# Altium PCB SVPX_FMC_6U_SOM.PcbDoc (part 7 of 9)
Units mm, origin at the board's own origin, x right, y up, seen from the top; angles counter-clockwise.
Board outline 160.38 x 233.53 mm, 10 copper layers (Top Layer, L1, P1, L2, P2, P3, L3, P4, L4, Bottom Layer), stack 1.749 mm thick; 649 components, 1262 nets, 4113 pads, 1924 vias.
Unrouted connection lines stored in the file: 1553.
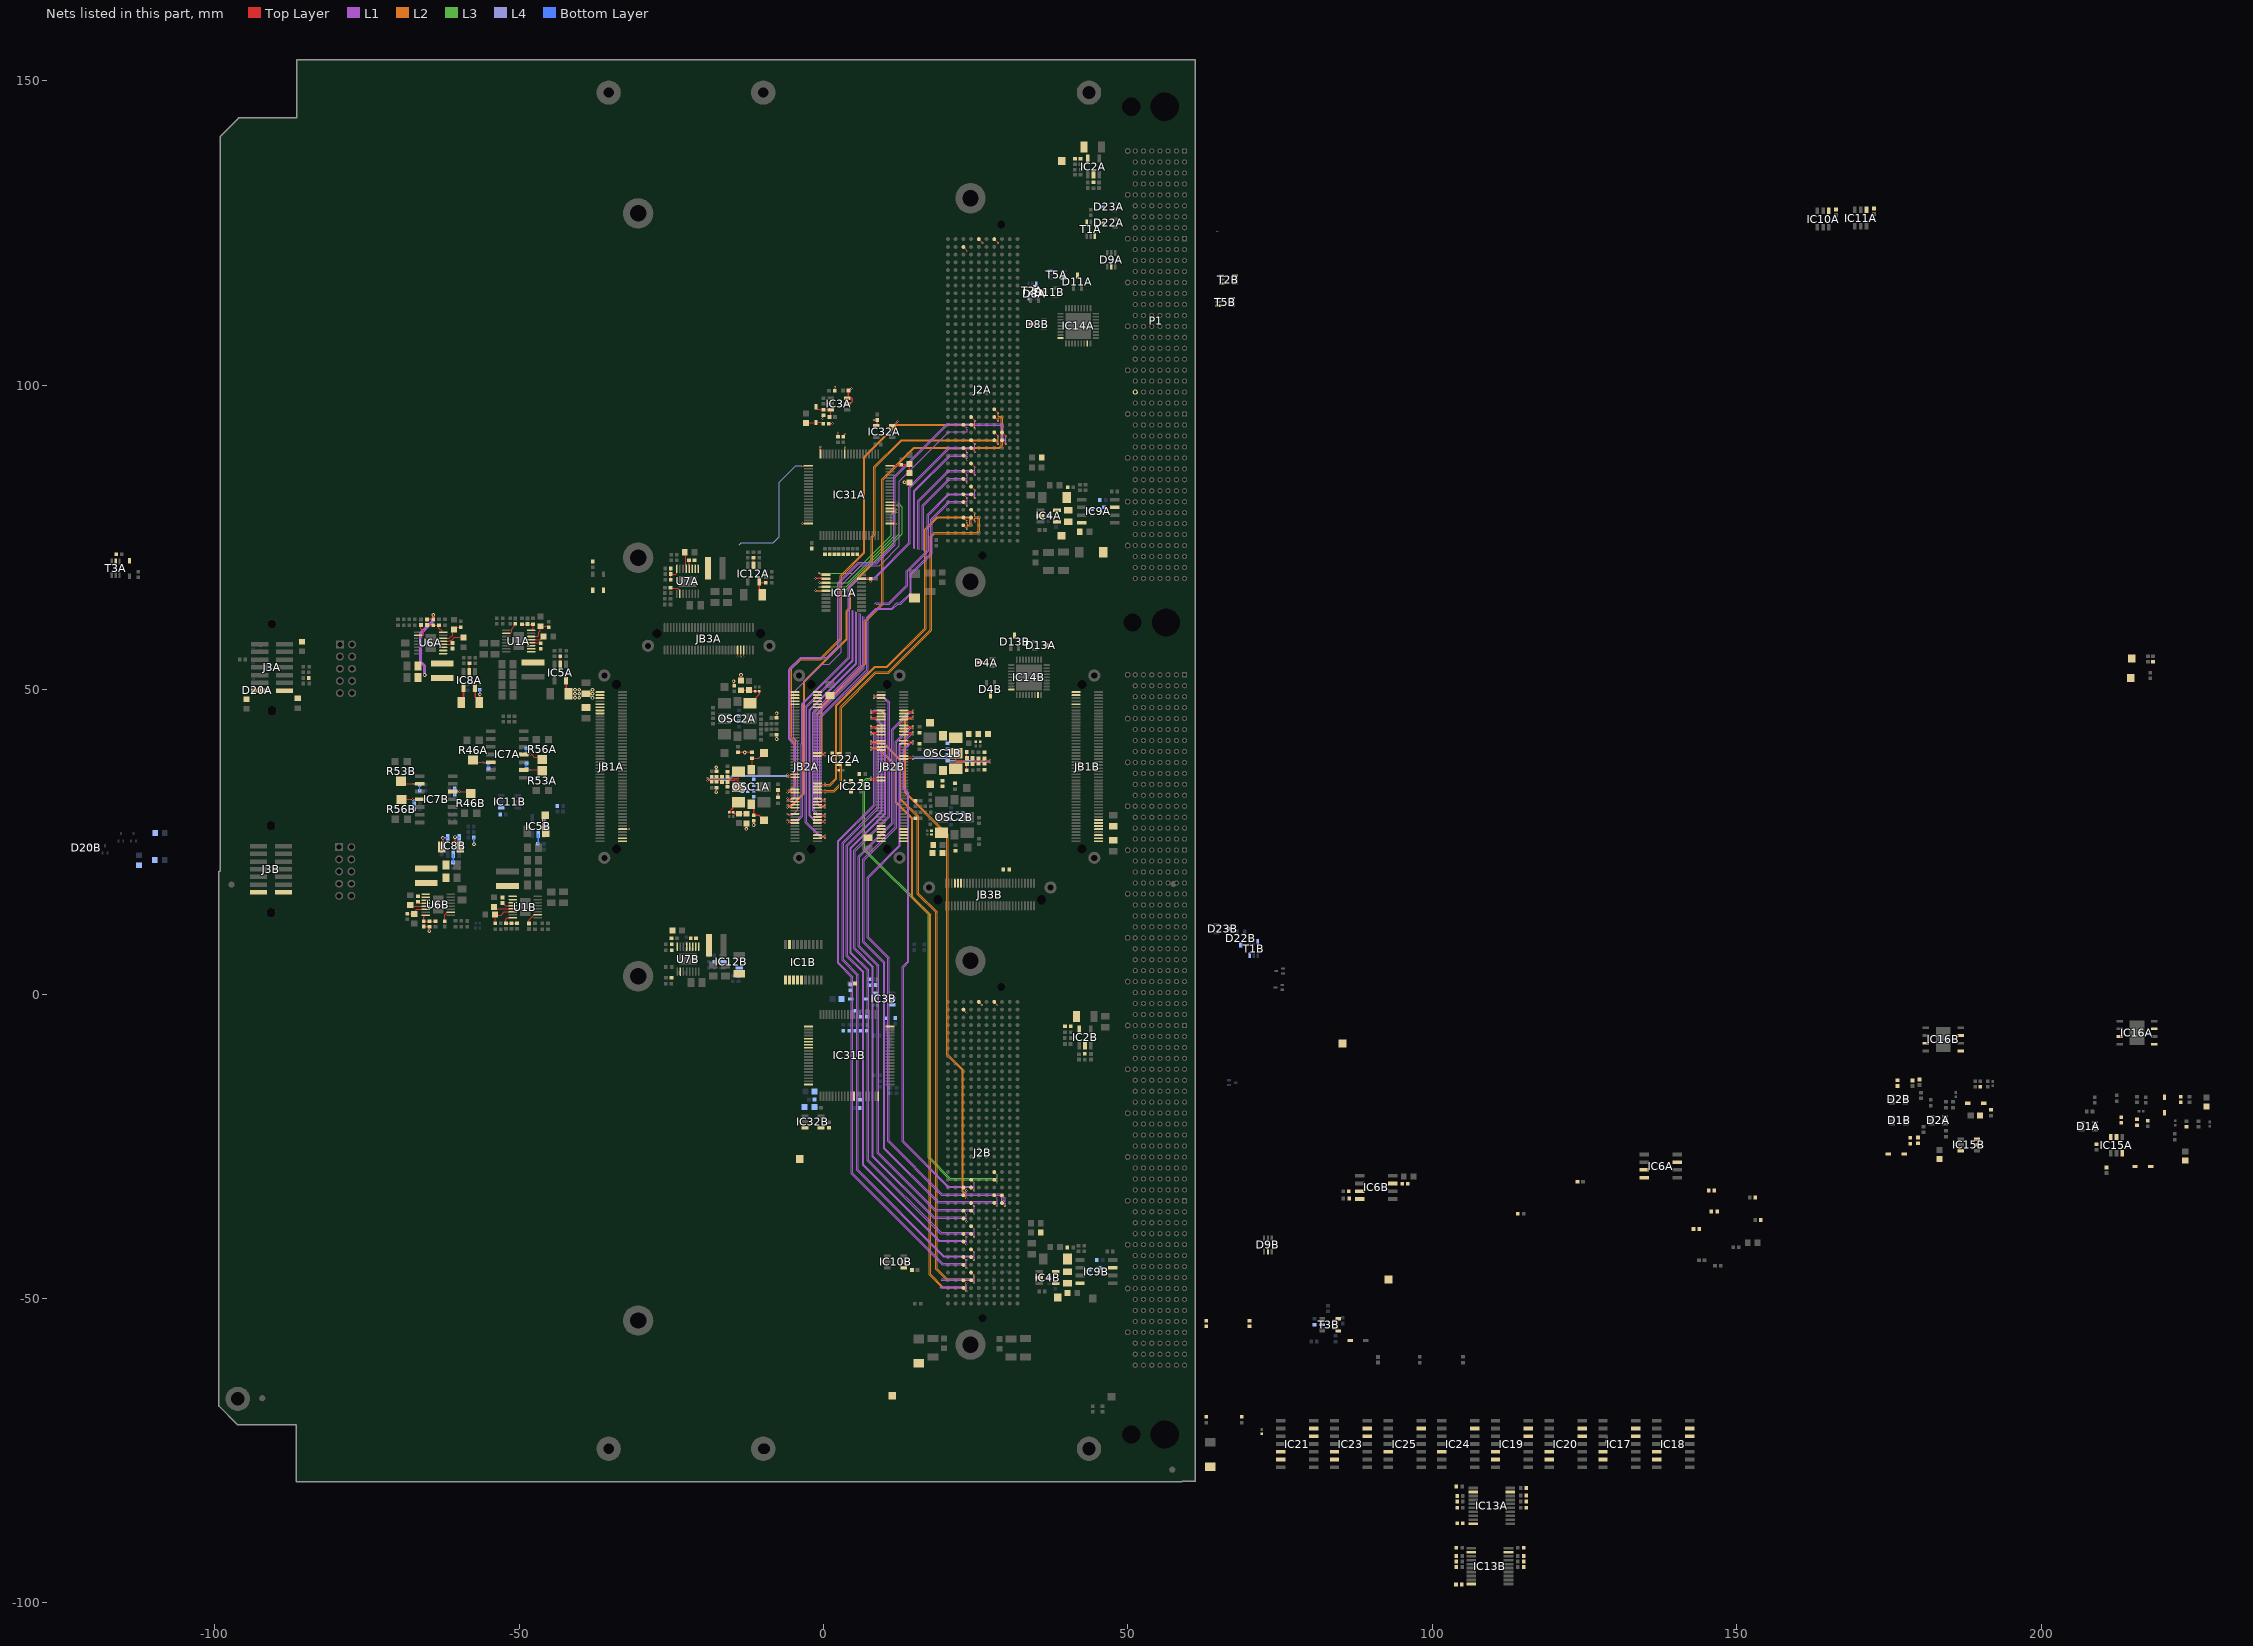
[diagram p15: the nets of this part, all layers, seen from the top]

## Via types
v1: diameter 0.32, hole 0.16, Top Layer to Bottom Layer, 654 vias
v2: diameter 0.6, hole 0.3, Top Layer to Bottom Layer, 398 vias
v3: diameter 1, hole 0.5, Top Layer to Bottom Layer, 314 vias
v4: diameter 0.3, hole 0.2, Top Layer to Bottom Layer, tented both sides, 270 vias
v5: diameter 0.6, hole 0.5, Top Layer to Bottom Layer, 248 vias
v6: diameter 0.5, hole 0.2, Top Layer to Bottom Layer, 18 vias
v7: diameter 0.3, hole 0.2, Top Layer to Bottom Layer, 18 vias
v8: diameter 0.4, hole 0.3, Top Layer to Bottom Layer, tented both sides, 4 vias

## Nets (pads, with @x,y where several pads share a name; then routed paths per layer and width w, separated by ;. In a path a pad name is that pad's centre, name@x,y a point inside that pad or via, vN(x,y) a via of type N, cw(c..) or ccw(c..) an arc to the next point about the centre after c; other vN are vias at no path point) (continued)
LA21A_P: J2A.h25 JB2A.82 | length 83.1
  Top Layer w0.118: v1(-5.9,29.56) -5.845,29.56 -5.758,29.472 -5.46,29.472 -5.333,29.6 JB2A.82@-4.7,29.6 ; J2A.h25@22.97,93.511 v1(23.605,92.876)
  L1 w0.069: v1(-5.9,29.56) -5.834,29.56 -5.734,29.46 -5.059,29.46 -4.237,30.281 -4.237,38.437 -4.227,38.447 -4.227,41.464 ; 2.952,56.363 2.952,66.93 2.948,66.934 2.948,67.12 2.952,67.124 2.952,67.13 ; 9.622,70.769 12.466,73.613 12.466,84.221 20.596,92.351 23.565,92.351 23.605,92.392 v1(23.605,92.876)
  L1 w0.078: -4.227,41.464 -4.851,42.087 -4.851,49.599 -0.298,54.152 0.939,54.152 2.952,56.165 2.952,56.363 ; 2.952,67.13 6.154,70.332 9.185,70.332 9.622,70.769
LA21B_N: J2B.h26 JB2B.84 | length 86.8
  Top Layer w0.118: JB2B.84@13.175,45.6 13.808,45.6 13.935,45.472 14.102,45.472 14.539,45.472 14.626,45.56 v1(14.681,45.56) ; J2B.h26@22.97,-33.038 v4(23.47,-33.538)
  L2 w0.069: v1(14.681,45.56) 14.616,45.56 14.515,45.46 14.254,45.46 14.232,45.482 13.752,45.482 13.319,45.049 13.319,33.042 20.279,26.083 20.279,-10.026 22.767,-12.514 22.767,-30.019 22.768,-30.02 22.768,-32.498 23.282,-33.012 23.43,-33.012 23.47,-33.053 v4(23.47,-33.538)
LA21B_P: J2B.h25 JB2B.82 | length 86
  Top Layer w0.118: JB2B.82@13.175,45.1 13.808,45.1 13.935,45.228 14.203,45.228 14.539,45.228 14.626,45.14 v1(14.681,45.14) ; J2B.h25@22.97,-31.768 v4(23.47,-32.268)
  L2 w0.069: v1(14.681,45.14) 14.616,45.14 14.515,45.24 14.164,45.24 14.141,45.263 13.843,45.263 13.538,44.958 13.538,33.133 20.498,26.173 20.498,-9.935 22.986,-12.423 22.986,-29.928 22.987,-29.93 22.987,-32.408 23.373,-32.793 23.43,-32.793 23.47,-32.753 v4(23.47,-32.268)
LA22A_N: J2A.g25 JB2A.68 | length 85.9
  Top Layer w0.118: v1(-5.9,33.14) -5.845,33.14 -5.758,33.228 -5.46,33.228 -5.333,33.1 JB2A.68@-4.7,33.1 ; J2A.g25@24.24,93.511 v1(24.875,92.876)
  L2 w0.069: v1(-5.9,33.14) -5.834,33.14 -5.734,33.24 -5.545,33.24 -4.559,34.227 -4.559,41.566 -5.207,42.215 -5.207,53.492 -3.75,54.95 -0.422,54.95 2.959,58.331 2.959,68.618 6.792,72.451 6.792,88.151 12.042,93.402 24.835,93.402 24.875,93.361 v1(24.875,92.876)
LA22A_P: J2A.g24 JB2A.66 | length 85.9
  Top Layer w0.118: v1(-5.9,33.56) -5.845,33.56 -5.758,33.472 -5.46,33.472 -5.333,33.6 JB2A.66@-4.7,33.6 ; J2A.g24@24.24,94.781 v1(24.875,94.146)
  L2 w0.069: v1(-5.9,33.56) -5.834,33.56 -5.734,33.46 -5.636,33.46 -4.778,34.318 -4.778,41.476 -5.426,42.124 -5.426,53.583 -3.841,55.169 -0.513,55.169 2.74,58.422 2.74,68.709 6.573,72.542 6.573,88.242 11.952,93.621 24.835,93.621 24.875,93.661 v1(24.875,94.146)
LA22B_N: J2B.g25 JB2B.68 | length 85
  Top Layer w0.118: JB2B.68@13.175,41.6 13.808,41.6 13.935,41.472 14.102,41.472 14.539,41.472 14.626,41.56 v1(14.681,41.56) ; J2B.g25@24.24,-31.768 v4(24.74,-32.268)
  L1 w0.069: v1(14.681,41.56) 14.615,41.56 14.515,41.46 14.326,41.46 13.081,40.215 13.081,33.726 13.818,32.989 13.818,5.385 12.938,4.505 12.938,-24.272 20.409,-31.743 24.7,-31.743 24.74,-31.783 v4(24.74,-32.268)
LA22B_P: J2B.g24 JB2B.66 | length 84.3
  Top Layer w0.118: JB2B.66@13.175,41.1 13.808,41.1 13.935,41.228 14.203,41.228 14.539,41.228 14.626,41.14 v1(14.681,41.14) ; J2B.g24@24.24,-30.498 v4(24.74,-30.998)
  L1 w0.069: v1(14.681,41.14) 14.615,41.14 14.515,41.24 14.417,41.24 13.3,40.124 13.3,33.817 14.037,33.08 14.037,5.294 13.157,4.414 13.157,-24.181 20.499,-31.523 24.7,-31.523 24.74,-31.482 v4(24.74,-30.998)
LA23A_N: J2A.d24 JB2A.43 | length 79.6
  Top Layer w0.118: JB2A.43@-1,39.1 -0.367,39.1 -0.24,39.228 0.086,39.228 0.174,39.14 v1(0.228,39.14) ; J2A.d24@28.05,94.781 v1(28.685,94.146)
  L2 w0.069: v1(0.228,39.14) 0.163,39.14 0.063,39.24 -0.126,39.24 -0.397,39.511 -0.397,47.279 6.68,54.356 6.68,61.214 9.566,64.099 9.566,84.577 14.83,89.842 28.89,89.842 29.207,90.159 29.207,94.541 29.077,94.672 28.726,94.672 28.685,94.631 v1(28.685,94.146)
LA23A_P: J2A.d23 JB2A.41 | length 79.6
  Top Layer w0.118: JB2A.41@-1,39.6 -0.367,39.6 -0.24,39.472 0.086,39.472 0.174,39.56 v1(0.228,39.56) ; J2A.d23@28.05,96.051 v1(28.685,95.416)
  L2 w0.069: v1(0.228,39.56) 0.163,39.56 0.063,39.46 -0.035,39.46 -0.178,39.602 -0.178,47.188 6.899,54.265 6.899,61.123 9.785,64.009 9.785,84.486 14.921,89.622 28.981,89.622 29.427,90.068 29.427,94.632 29.168,94.891 28.726,94.891 28.685,94.931 v1(28.685,95.416)
LA23B_N: J2B.d24 JB2B.43 | length 83.6
  Top Layer w0.118: v1(7.772,35.56) 7.827,35.56 7.915,35.472 8.548,35.472 8.715,35.472 8.842,35.6 JB2B.43@9.475,35.6 ; J2B.d24@28.05,-30.498 v4(28.55,-30.998)
  L3 w0.069: v1(7.772,35.56) 7.707,35.56 7.606,35.46 7.057,35.46 6.563,34.965 6.563,23.714 17.205,13.072 17.205,-26.913 20.764,-30.472 28.51,-30.472 28.55,-30.513 v4(28.55,-30.998)
LA23B_P: J2B.d23 JB2B.41 | length 82.8
  Top Layer w0.118: v1(7.772,35.14) 7.827,35.14 7.915,35.228 8.447,35.228 8.715,35.228 8.842,35.1 JB2B.41@9.475,35.1 ; J2B.d23@28.05,-29.228 v4(28.55,-29.728)
  L3 w0.069: v1(7.772,35.14) 7.707,35.14 7.606,35.24 7.148,35.24 6.782,34.874 6.782,23.805 17.424,13.162 17.424,-26.822 20.855,-30.253 28.51,-30.253 28.55,-30.213 v4(28.55,-29.728)
LA24A_N: J2A.h29 JB2A.95 | length 65
  Top Layer w0.118: JB2A.95@-1,26.1 -0.367,26.1 -0.24,25.972 0.086,25.972 0.174,26.06 v1(0.228,26.06) ; J2A.h29@22.97,88.431 v1(23.605,87.796)
  L1 w0.069: v1(0.228,26.06) 0.163,26.06 0.062,25.96 -0.453,25.96 -2.743,28.25 -2.743,47.117 4.902,54.762 4.902,62.983 ; 15.019,73.1 15.019,82.552 20.788,88.321 23.565,88.321 23.605,88.281 v1(23.605,87.796)
LA24A_P: J2A.h28 JB2A.97 | length 65.7
  Top Layer w0.118: JB2A.97@-1,25.6 -0.367,25.6 -0.24,25.728 0.086,25.728 0.174,25.64 v1(0.228,25.64) ; J2A.h28@22.97,89.701 v1(23.605,89.066)
  L1 w0.069: v1(0.228,25.64) 0.163,25.64 0.062,25.74 -0.543,25.74 -2.963,28.159 -2.963,47.208 4.683,54.853 4.683,63.074 ; 14.8,73.191 14.8,82.643 20.697,88.541 23.565,88.541 23.605,88.582 v1(23.605,89.066)
LA24B_N: J2B.h29 JB2B.95 | length 103.1
  Top Layer w0.118: v1(8.281,48.64) 8.335,48.64 8.423,48.728 8.715,48.728 8.842,48.6 JB2B.95@9.475,48.6 ; J2B.h29@22.97,-36.848 v4(23.47,-37.348)
  L1 w0.069: 9.995,48.476 10.623,47.848 10.623,29.221 4.988,23.586 4.988,7.433 7.985,4.436 7.985,-26.736 18.072,-36.823 23.43,-36.823 23.47,-36.863 v4(23.47,-37.348)
  L1 w0.078: v1(8.281,48.64) 8.346,48.64 8.442,48.736 9.735,48.736 9.995,48.476
LA24B_P: J2B.h28 JB2B.97 | length 103.1
  Top Layer w0.118: v1(8.281,49.06) 8.335,49.06 8.423,48.972 8.715,48.972 8.842,49.1 JB2B.97@9.475,49.1 ; J2B.h28@22.97,-35.578 v4(23.47,-36.078)
  L1 w0.069: 10.083,48.698 10.843,47.939 10.843,29.131 5.207,23.495 5.207,7.524 8.204,4.527 8.204,-26.645 18.163,-36.603 23.43,-36.603 23.47,-36.562 v4(23.47,-36.078)
  L1 w0.078: v1(8.281,49.06) 8.346,49.06 8.442,48.964 9.829,48.964 10.089,48.704
LA25A_N: J2A.g28 JB2A.88 | length 81.8
  Top Layer w0.118: v1(-5.9,28.14) -5.845,28.14 -5.758,28.228 -5.46,28.228 -5.333,28.1 JB2A.88@-4.7,28.1 ; J2A.g28@24.24,89.701 v1(24.875,89.066)
  L1 w0.069: v1(-5.9,28.14) -5.834,28.14 -5.734,28.24 -4.37,28.24 -3.429,29.181 -3.429,40.995 -3.391,41.033 -3.391,47.561 4.313,55.266 4.313,66.746 ; 8.906,68.684 14.25,74.028 14.25,83.18 20.661,89.591 24.835,89.591 24.875,89.551 v1(24.875,89.066)
  L1 w0.078: 4.313,66.746 5.715,68.148 8.382,68.148 8.912,68.678
LA25A_P: J2A.g27 JB2A.86 | length 81.8
  Top Layer w0.118: v1(-5.9,28.56) -5.845,28.56 -5.758,28.472 -5.46,28.472 -5.333,28.6 JB2A.86@-4.7,28.6 ; J2A.g27@24.24,90.971 v1(24.875,90.336)
  L1 w0.069: v1(-5.9,28.56) -5.834,28.56 -5.734,28.46 -4.461,28.46 -3.648,29.272 -3.648,41.086 -3.611,41.124 -3.611,47.652 4.094,55.357 4.094,66.649 4.089,66.654 4.089,66.839 4.094,66.844 4.094,66.85 ; 8.818,68.906 14.031,74.119 14.031,83.271 20.57,89.811 24.835,89.811 24.875,89.852 v1(24.875,90.336)
  L1 w0.078: 4.094,66.85 5.62,68.376 8.288,68.376 8.818,68.906
LA25B_N: J2B.g28 JB2B.88 | length 100.6
  Top Layer w0.118: JB2B.88@13.175,46.6 13.808,46.6 13.935,46.472 14.102,46.472 14.539,46.472 14.626,46.56 v1(14.681,46.56) ; J2B.g28@24.24,-35.578 v4(24.74,-36.078)
  L1 w0.069: v1(14.681,46.56) 14.615,46.56 14.515,46.46 14.145,46.46 11.212,43.526 11.212,28.154 5.724,22.666 5.724,7.758 8.865,4.617 8.865,-26.168 18.25,-35.553 24.7,-35.553 24.74,-35.593 v4(24.74,-36.078)
LA25B_P: J2B.g27 JB2B.86 | length 99.8
  Top Layer w0.118: JB2B.86@13.175,46.1 13.808,46.1 13.935,46.228 14.203,46.228 14.539,46.228 14.626,46.14 v1(14.681,46.14) ; J2B.g27@24.24,-34.308 v4(24.74,-34.808)
  L1 w0.069: v1(14.681,46.14) 14.615,46.14 14.515,46.24 14.236,46.24 11.432,43.436 11.432,28.063 5.944,22.575 5.944,7.849 9.084,4.708 9.084,-26.077 13.195,-30.188 18.34,-35.333 24.7,-35.333 24.74,-35.292 v4(24.74,-34.808)
LA26A_N: J2A.d27 JB2A.78 | length 86.8
  Top Layer w0.118: v1(-5.9,30.64) -5.845,30.64 -5.758,30.728 -5.46,30.728 -5.333,30.6 JB2A.78@-4.7,30.6 ; J2A.d27@28.05,90.971 v1(28.685,90.336)
  L2 w0.069: v1(-5.9,30.64) -5.834,30.64 -5.734,30.74 -5.26,30.74 -3.05,32.95 -3.05,51.281 3.92,58.25 3.92,62.832 4.47,63.382 4.47,67 8.052,70.581 8.052,75.001 8.484,75.433 8.484,86.512 12.833,90.862 28.645,90.862 28.685,90.821 v1(28.685,90.336)
LA26A_P: J2A.d26 JB2A.76 | length 86.8
  Top Layer w0.118: v1(-5.9,31.06) -5.845,31.06 -5.758,30.972 -5.46,30.972 -5.333,31.1 JB2A.76@-4.7,31.1 ; J2A.d26@28.05,92.241 v1(28.685,91.606)
  L2 w0.069: v1(-5.9,31.06) -5.834,31.06 -5.734,30.96 -5.35,30.96 -3.269,33.041 -3.269,51.371 3.7,58.341 3.7,62.922 4.251,63.473 4.251,67.091 7.833,70.672 7.833,75.092 8.264,75.524 8.264,86.603 12.742,91.081 28.645,91.081 28.685,91.121 v1(28.685,91.606)
LA26B_N: J2B.d27 JB2B.78 | length 99.6
  Top Layer w0.118: JB2B.78@13.175,44.1 13.808,44.1 13.935,43.972 14.102,43.972 14.539,43.972 14.626,44.06 v1(14.681,44.06) ; J2B.d27@28.05,-34.308 v4(28.55,-34.808)
  L1 w0.069: v1(14.681,44.06) 14.615,44.06 14.515,43.96 14.326,43.96 11.801,41.435 11.801,27.447 6.461,22.107 6.461,8.494 9.855,5.1 9.855,-25.403 18.734,-34.283 28.51,-34.283 28.55,-34.323 v4(28.55,-34.808)
LA26B_P: J2B.d26 JB2B.76 | length 98.9
  Top Layer w0.118: JB2B.76@13.175,43.6 13.808,43.6 13.935,43.728 14.203,43.728 14.539,43.728 14.626,43.64 v1(14.681,43.64) ; J2B.d26@28.05,-33.038 v4(28.55,-33.538)
  L1 w0.069: v1(14.681,43.64) 14.615,43.64 14.515,43.74 14.417,43.74 12.02,41.344 12.02,27.356 6.68,22.016 6.68,8.585 10.075,5.191 10.075,-25.312 18.825,-34.063 28.51,-34.063 28.55,-34.022 v4(28.55,-33.538)
LA27A_N: J2A.c27 JB2A.74 | length 92.6
  Top Layer w0.118: v1(-5.9,31.68) -5.845,31.68 -5.758,31.768 -5.5,31.768 -5.333,31.6 JB2A.74@-4.7,31.6 ; J2A.c27@29.32,90.971 v1(29.955,90.336)
  L1 w0.069: v1(-5.9,31.68) -5.834,31.68 -5.734,31.78 -5.146,31.78 -4.607,32.319 -4.607,38.59 -4.597,38.6 -4.597,40.1 -4.607,40.11 -4.607,40.848 -4.603,40.853 -4.603,41.038 -4.607,41.042 -4.607,41.049 ; 2.546,57.462 2.546,67.443 ; 9.38,71.392 11.77,73.782 11.77,84.907 18.925,92.062 20.295,93.432 29.005,93.432 29.27,93.167 29.27,91.171 29.58,90.861 29.915,90.861 29.955,90.821 v1(29.955,90.336)
  L1 w0.078: -4.607,41.049 -5.512,41.953 -5.512,53.213 -3.658,55.067 0.628,55.067 2.555,56.995 2.555,57.462 ; 2.546,67.443 5.817,70.714 8.714,70.714 9.386,71.386
LA27A_P: J2A.c26 JB2A.72 | length 92.5
  Top Layer w0.118: v1(-5.9,32.1) -5.845,32.1 -5.758,32.012 -5.437,32.012 -5.349,32.1 JB2A.72@-4.7,32.1 ; J2A.c26@29.32,92.241 v1(29.955,91.606)
  L1 w0.069: v1(-5.9,32.1) -5.834,32.1 -5.734,32 -5.237,32 -4.826,32.41 -4.826,38.681 -4.816,38.691 -4.816,40.009 -4.826,40.019 -4.826,40.945 ; 2.327,57.556 2.327,67.346 2.322,67.351 2.322,67.536 2.327,67.54 2.327,67.547 ; 9.225,71.547 11.551,73.873 11.551,84.998 18.925,92.372 20.204,93.651 29.096,93.651 29.489,93.258 29.489,91.262 29.671,91.081 29.915,91.081 29.955,91.122 v1(29.955,91.606)
  L1 w0.078: -4.826,40.945 -5.74,41.859 -5.74,53.308 -3.752,55.295 0.533,55.295 2.327,57.089 2.327,57.556 ; 2.327,67.547 5.722,70.942 8.62,70.942 9.225,71.547
LA27B_N: J2B.c27 JB2B.74 | length 98.4
  Top Layer w0.118: JB2B.74@13.175,43.1 13.808,43.1 13.935,42.972 14.102,42.972 14.539,42.972 14.626,43.06 v1(14.681,43.06) ; J2B.c27@29.32,-34.308 v4(29.82,-34.808)
  L1 w0.069: v1(14.681,43.06) 14.615,43.06 14.468,42.913 14.367,42.913 12.403,40.949 12.403,24.418 7.172,19.186 7.172,9.282 10.566,5.887 10.566,-24.212 19.365,-33.011 28.846,-33.011 29.276,-33.44 29.276,-33.927 29.631,-34.283 29.78,-34.283 29.82,-34.323 v4(29.82,-34.808)
LA27B_P: J2B.c26 JB2B.72 | length 97.6
  Top Layer w0.118: JB2B.72@13.175,42.6 13.808,42.6 13.935,42.728 14.203,42.728 14.539,42.728 14.626,42.64 v1(14.681,42.64) ; J2B.c26@29.32,-33.038 v4(29.82,-33.538)
  L1 w0.069: v1(14.681,42.64) 14.633,42.688 14.52,42.688 14.515,42.693 14.458,42.693 12.623,40.858 12.623,24.327 7.391,19.095 7.391,9.373 10.786,5.978 10.786,-24.121 19.456,-32.791 28.937,-32.791 29.495,-33.35 29.495,-33.836 29.722,-34.063 29.78,-34.063 29.82,-34.022 v4(29.82,-33.538)
LA28A_N: J2A.h32 JB2A.81 | length 56.6
  Top Layer w0.118: JB2A.81@-1,29.6 -0.367,29.6 -0.24,29.472 0.086,29.472 0.174,29.56 v1(0.228,29.56) ; J2A.h32@22.97,84.621 v1(23.605,83.986)
  L1 w0.069: v1(0.228,29.56) 0.163,29.56 0.062,29.46 -0.84,29.46 -1.554,30.174 -1.554,46.223 6.08,53.858 6.08,62.495 ; 16.434,72.849 16.434,80.208 20.738,84.511 23.565,84.511 23.605,84.471 v1(23.605,83.986)
LA28A_P: J2A.h31 JB2A.83 | length 57.4
  Top Layer w0.118: JB2A.83@-1,29.1 -0.367,29.1 -0.24,29.228 0.086,29.228 0.174,29.14 v1(0.228,29.14) ; J2A.h31@22.97,85.891 v1(23.605,85.256)
  L1 w0.069: v1(0.228,29.14) 0.163,29.14 0.062,29.24 -0.93,29.24 -1.774,30.083 -1.774,46.314 5.861,53.948 5.861,62.586 ; 16.215,72.94 16.215,80.299 20.647,84.731 23.565,84.731 23.605,84.772 v1(23.605,85.256)
LA28B_N: J2B.h32 JB2B.81 | length 103.2
  Top Layer w0.118: v1(7.772,45.14) 7.827,45.14 7.915,45.228 8.715,45.228 8.842,45.1 JB2B.81@9.475,45.1 ; J2B.h32@22.97,-40.658 v4(23.47,-41.158)
  L1 w0.069: v1(7.772,45.14) 7.838,45.14 7.938,45.24 8.455,45.24 9.445,44.251 9.445,30.123 3.743,24.421 3.743,6.239 6.41,3.572 6.41,-28.082 18.961,-40.633 23.43,-40.633 23.47,-40.673 v4(23.47,-41.158)
LA28B_P: J2B.h31 JB2B.83 | length 103.2
  Top Layer w0.118: v1(7.772,45.56) 7.827,45.56 7.915,45.472 8.715,45.472 8.842,45.6 JB2B.83@9.475,45.6 ; J2B.h31@22.97,-39.388 v4(23.47,-39.888)
  L1 w0.069: v1(7.772,45.56) 7.838,45.56 7.938,45.46 8.546,45.46 9.665,44.341 9.665,30.032 3.962,24.33 3.962,6.33 6.629,3.663 6.629,-27.991 19.052,-40.413 23.43,-40.413 23.47,-40.372 v4(23.47,-39.888)
LA29A_N: J2A.g31 JB2A.85 | length 61.1
  Top Layer w0.118: JB2A.85@-1,28.6 -0.367,28.6 -0.24,28.472 0.086,28.472 0.174,28.56 v1(0.228,28.56) ; J2A.g31@24.24,85.891 v1(24.875,85.256)
  L1 w0.069: v1(0.228,28.56) 0.163,28.56 0.062,28.46 -1.231,28.46 -2.143,29.372 -2.143,46.625 5.491,54.259 5.491,62.739 ; 15.736,72.984 15.736,80.958 20.56,85.781 24.835,85.781 24.875,85.741 v1(24.875,85.256)
LA29A_P: J2A.g30 JB2A.87 | length 61.9
  Top Layer w0.118: JB2A.87@-1,28.1 -0.367,28.1 -0.24,28.228 0.086,28.228 0.174,28.14 v1(0.228,28.14) ; J2A.g30@24.24,87.161 v1(24.875,86.526)
  L1 w0.069: v1(0.228,28.14) 0.163,28.14 0.062,28.24 -1.322,28.24 -2.363,29.281 -2.363,46.716 5.272,54.35 5.272,62.83 ; 15.517,73.075 15.517,81.049 20.469,86.001 24.835,86.001 24.875,86.042 v1(24.875,86.526)
LA29B_N: J2B.g31 JB2B.85 | length 104.9
  Top Layer w0.118: v1(7.772,46.14) 7.827,46.14 7.915,46.228 8.715,46.228 8.842,46.1 JB2B.85@9.475,46.1 ; J2B.g31@24.24,-39.388 v4(24.74,-39.888)
  L1 w0.069: v1(7.772,46.14) 7.838,46.14 7.938,46.24 8.128,46.24 8.395,46.507 9.423,46.507 10.034,45.897 10.034,29.674 4.378,24.018 4.378,6.722 7.223,3.877 7.223,-27.371 19.215,-39.363 24.7,-39.363 24.74,-39.403 v4(24.74,-39.888)
LA29B_P: J2B.g30 JB2B.87 | length 104.9
  Top Layer w0.118: v1(7.772,46.56) 7.827,46.56 7.915,46.472 8.715,46.472 8.842,46.6 JB2B.87@9.475,46.6 ; J2B.g30@24.24,-38.118 v4(24.74,-38.618)
  L1 w0.069: v1(7.772,46.56) 7.838,46.56 7.938,46.46 8.037,46.46 8.304,46.727 9.514,46.727 10.254,45.988 10.254,29.583 4.597,23.927 4.597,6.813 7.442,3.968 7.442,-27.28 19.306,-39.143 24.7,-39.143 24.74,-39.102 v4(24.74,-38.618)
LA30A_N: J2A.h35 JB2A.71 | length 65.5
  Top Layer w0.118: JB2A.71@-1,32.1 -0.367,32.1 -0.24,31.972 0.086,31.972 0.174,32.06 v1(0.228,32.06) ; J2A.h35@22.97,80.811 v1(23.605,80.176)
  L1 w0.069: v1(0.228,32.06) 0.163,32.06 0.062,31.96 -0.159,31.96 -0.356,32.156 -0.356,45.466 7.315,53.137 7.315,61.782 8.703,63.17 ; 15.083,69.55 17.862,72.329 17.862,77.88 20.684,80.701 23.565,80.701 23.605,80.661 v1(23.605,80.176)
  L1 w0.078: 8.703,63.17 11.296,63.17 12.16,64.034 12.718,64.034 14.452,65.768 14.452,68.919 15.083,69.55
LA30A_P: J2A.h34 JB2A.73 | length 66.2
  Top Layer w0.118: JB2A.73@-1,31.6 -0.367,31.6 -0.24,31.728 0.086,31.728 0.174,31.64 v1(0.228,31.64) ; J2A.h34@22.97,82.081 v1(23.605,81.446)
  L1 w0.069: v1(0.228,31.64) 0.163,31.64 0.062,31.74 -0.25,31.74 -0.575,32.065 -0.575,45.557 7.096,53.228 7.096,61.872 8.48,63.256 8.48,63.263 8.611,63.394 8.617,63.394 8.621,63.398 ; 14.861,69.638 17.643,72.42 17.643,77.971 20.593,80.921 23.565,80.921 23.605,80.962 v1(23.605,81.446)
  L1 w0.078: 8.621,63.398 11.201,63.398 12.065,64.262 12.624,64.262 14.224,65.862 14.224,69.013 14.804,69.593 ; 14.804,69.6 14.811,69.6 14.855,69.644
LA30B_N: J2B.h35 JB2B.71 | length 104.2
  Top Layer w0.118: v1(7.772,42.64) 7.827,42.64 7.915,42.728 8.715,42.728 8.842,42.6 JB2B.71@9.475,42.6 ; J2B.h35@22.97,-44.468 v4(23.47,-44.968)
  L1 w0.069: v1(7.772,42.64) 7.838,42.64 7.938,42.74 8.089,42.74 8.267,42.562 8.267,31.135 2.321,25.188 2.321,5.065 4.597,2.788 4.597,-29.546 19.494,-44.443 23.43,-44.443 23.47,-44.483 v4(23.47,-44.968)
LA30B_P: J2B.h34 JB2B.73 | length 104.2
  Top Layer w0.118: v1(7.772,43.06) 7.827,43.06 7.915,42.972 8.715,42.972 8.842,43.1 JB2B.73@9.475,43.1 ; J2B.h34@22.97,-43.198 v4(23.47,-43.698)
  L1 w0.069: v1(7.772,43.06) 7.838,43.06 7.938,42.96 8.18,42.96 8.487,42.653 8.487,31.044 2.54,25.097 2.54,5.156 4.817,2.879 4.817,-29.455 19.585,-44.223 23.43,-44.223 23.47,-44.182 v4(23.47,-43.698)
LA31A_N: J2A.g34 JB2A.75 | length 66.4
  Top Layer w0.118: JB2A.75@-1,31.1 -0.367,31.1 -0.24,30.972 0.086,30.972 0.174,31.06 v1(0.228,31.06) ; J2A.g34@24.24,82.081 v1(24.875,81.446)
  L1 w0.069: v1(0.228,31.06) 0.163,31.06 0.062,30.96 -0.55,30.96 -0.965,31.375 -0.965,45.872 6.669,53.507 6.669,62.001 ; 13.976,69.539 17.273,72.837 17.273,78.66 20.585,81.971 24.835,81.971 24.875,81.931 v1(24.875,81.446)
  L1 w0.078: 8.676,64.008 10.813,64.008 13.843,67.038 13.843,69.406 13.976,69.539
LA31A_P: J2A.g33 JB2A.77 | length 67.1
  Top Layer w0.118: JB2A.77@-1,30.6 -0.367,30.6 -0.24,30.728 0.086,30.728 0.174,30.64 v1(0.228,30.64) ; J2A.g33@24.24,83.351 v1(24.875,82.716)
  L1 w0.069: v1(0.228,30.64) 0.163,30.64 0.062,30.74 -0.641,30.74 -1.185,31.284 -1.185,45.963 6.45,53.598 6.45,62.092 ; 8.452,64.095 8.452,64.101 8.583,64.232 8.59,64.232 8.594,64.236 ; 13.754,69.628 17.054,72.927 17.054,78.751 20.494,82.191 24.835,82.191 24.875,82.232 v1(24.875,82.716)